# Altium PCB DM1095_R0M0E1.PcbDoc (part 2 of 3) (continued)
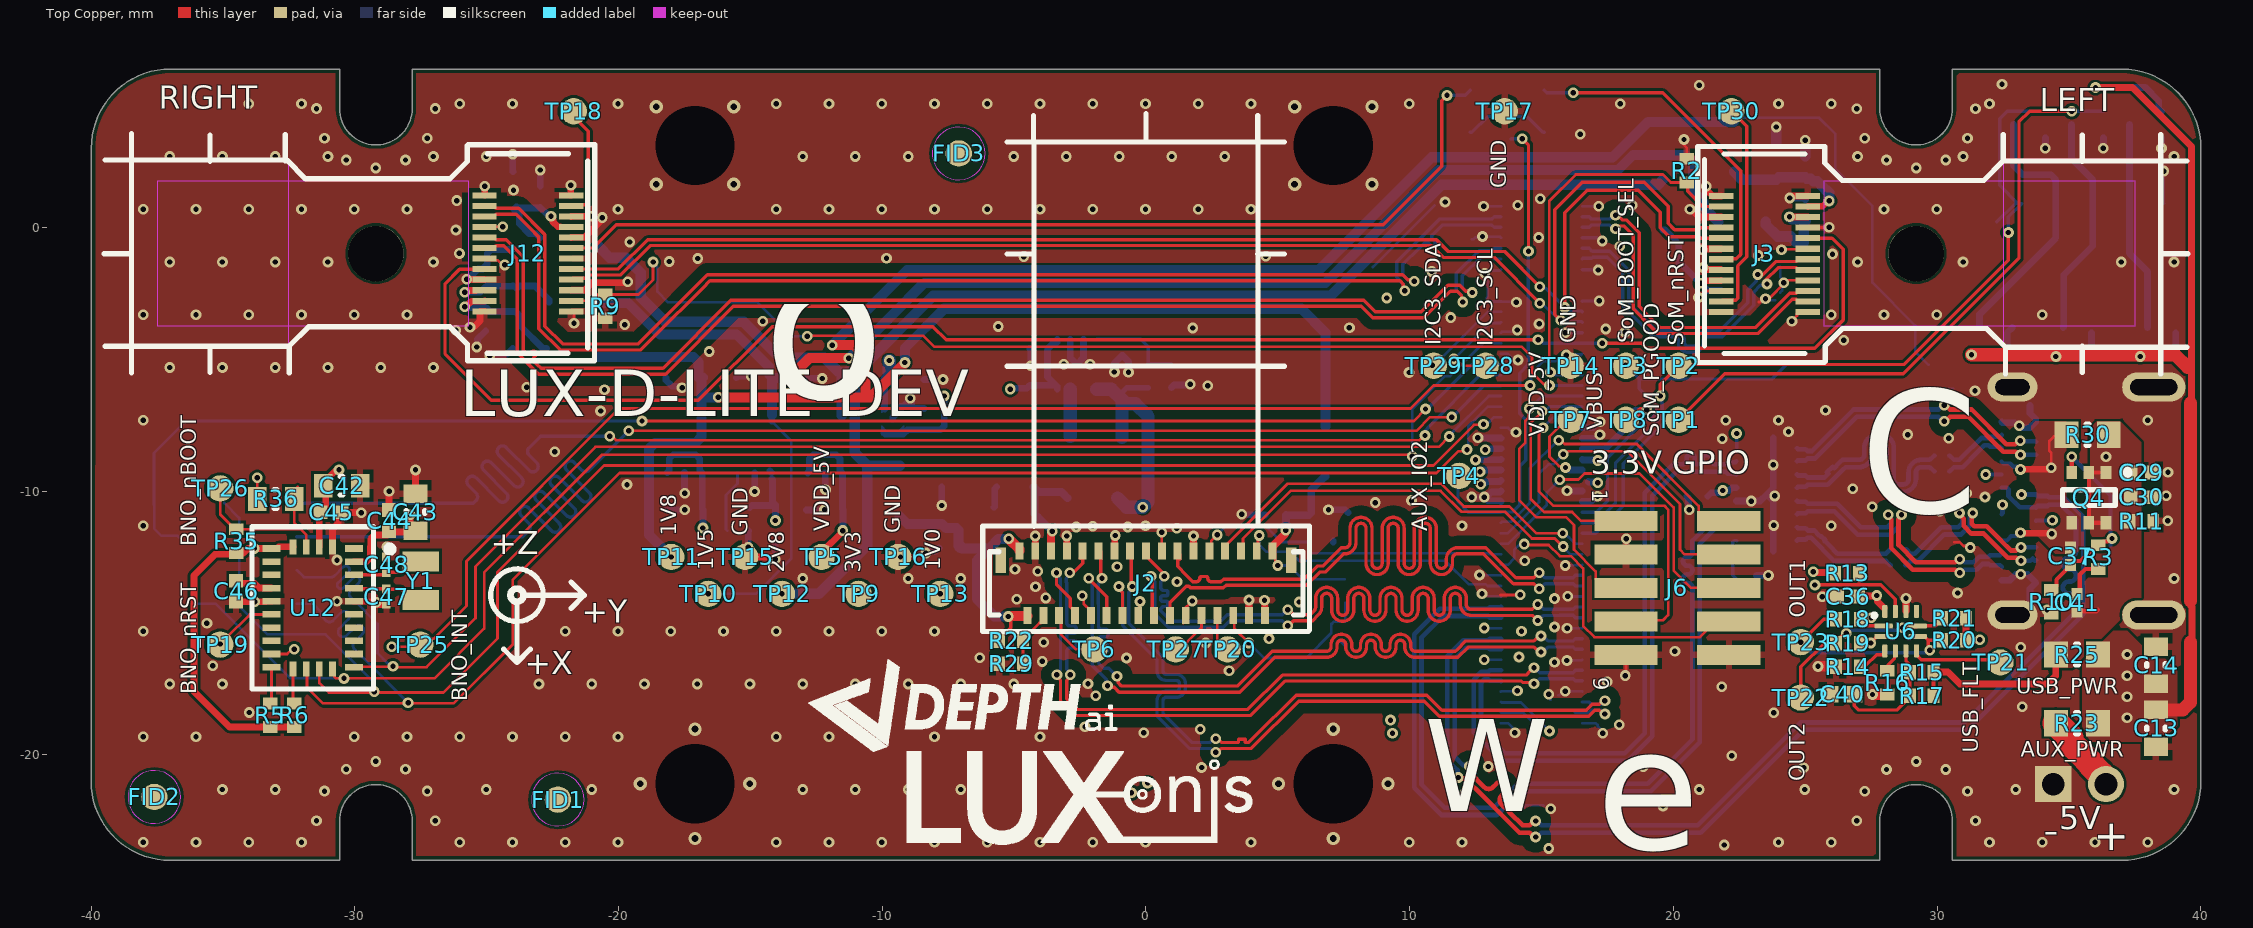
[diagram p0: Top Copper view]
## Nets (pads, with @x,y where several pads share a name; then routed paths per layer and width w, separated by ;. In a path a pad name is that pad's centre, name@x,y a point inside that pad or via, vN(x,y) a via of type N, cw(c..) or ccw(c..) an arc to the next point about the centre after c; other vN are vias at no path point) (continued)
  Top Copper w0.102: C48.1@-28.8,-12.52 -28.8,-12.515 -28.765,-12.48 -28.785,-12.46 v1(-28.785,-12.123) ; J12.6@-25.077,-1.187 -25.013,-1.252 -24.573,-1.252 -24.399,-1.426 v1(-24.316,-1.426) ; J12.9@-25.077,0.013 -25.073,0.017 -24.399,0.017 v1(-24.394,0.022) ; J12.24@-21.797,-3.187 -21.752,-3.187 -21.688,-3.252 v1(-21.688,-3.641) ; v1(-2.418,-13.976) -2.36,-14.034 -2.36,-14.289 -2.093,-14.556 J2.24@-2.093,-14.731 ; J2.18@-0.293,-14.731 -0.26,-14.698 -0.26,-14.223 v1(-0.227,-14.191) ; v1(0.597,-11.566) 0.599,-11.567 0.599,-12.28 J2.15@0.6,-12.281 ; J2.12@1.408,-15.005 1.408,-14.521 v1(1.758,-14.172) ; 13.438,-13.943 14.244,-13.943 v1@14.257,-13.93 ; v1(18.176,-16.998) 18.2,-16.974 J6.9@18.2,-16.21 ; J6.3@18.2,-12.4 18.207,-12.393 v1(18.207,-11.813) ; v1(20.4,3.328) 20.4,3.118 20.5,3.018 R2.2@20.5,2.6 ; v1(20.952,-2.663) 21.136,-2.48 21.182,-2.48 21.249,-2.413 J3.15@21.81,-2.413 ; 23.231,-2.834 23.282,-2.834 23.405,-2.711 v1(23.488,-2.711) 23.546,-2.652 23.677,-2.652 24.179,-2.15 v1(24.179,-2.105) 24.272,-2.013 J3.9@25.09,-2.013 ; v1(24.098,-0.853) 24.119,-0.833 25.07,-0.833 J3.6@25.09,-0.813 ; v1(24.491,-3.561) 24.491,-3.539 24.681,-3.349 24.681,-3.277 24.745,-3.213 J3.12@25.09,-3.213 ; J3.4@25.09,-0.013 25.096,-0.006 25.894,-0.006 v1(25.9,0) ; 30.649,-11.943 30.859,-11.943 30.998,-12.082 31.193,-12.082 v1(31.251,-12.14) ; C30.1@38.14,-10.24 38.203,-10.177 v1(38.684,-10.177)
  Top Copper w0.254: C46.2@-34.5,-14.2 v1(-33.797,-14.2) -33.386,-14.2 -33.365,-14.179 U12.10@-33.157,-14.179 ; U12.2@-30.844,-12.117 -30.844,-11.444 -30.633,-11.233 -30.633,-10.933 C45.1@-30.5,-10.8 -30.496,-10.796 -30.479,-10.813 -29.771,-10.813 v1(-29.758,-10.827) ; U12.25@-30.032,-14.179 U12.25@-30.032,-14.179 -29.519,-14.181 -29.5,-14.2 -29.3,-14.2 -29.2,-14.3 -28.82,-14.3 C47.1@-28.8,-14.28 ; C44.1@-28.7,-10.72 v1(-28.7,-10.013) ; C43.1@-27.7,-10.1 v1(-27.7,-9.2) ; v1(-25.749,-1.965) -25.738,-1.976 -25.088,-1.976 J12.4@-25.077,-1.987 ; v1(-25.629,-3.792) -25.6,-3.763 -25.465,-3.763 -25.249,-3.547 -25.249,-3.199 -25.237,-3.187 J12.1@-25.077,-3.187 ; v1@-25.405,-4.512 v1(-25.376,-4.541) ; J12.12@-25.077,1.213 v1(-25.077,1.557) ; v1(-21.806,1.598) -21.806,1.221 J12.13@-21.797,1.213 ; J12.22@-21.797,-2.387 -21.301,-2.387 -21.012,-2.098 -19.682,-2.098 v1(-19.654,-2.07) ; J12.17@-21.797,-0.387 -21.785,-0.375 -21.289,-0.375 -20.646,0.268 -20.646,0.338 v1(-20.617,0.367) ; J12.15@-21.797,0.413 -21.796,0.414 v1(-21.077,0.415) v1(-21.077,0.415) ; TP15.1@-15.2,-12.5 -14.184,-12.5 -14.096,-12.588 v1(-14.055,-12.588) ; J2.31@-4.2,-12.281 v1(-4.2,-11.706) ; J2.27@-3,-12.281 v1(-3,-11.706) ; J2.21@-1.2,-12.281 -1.184,-12.265 -1.184,-11.702 v1(-1.168,-11.687) ; J2.11@1.8,-12.281 v1(1.8,-11.706) ; J2.4@3.908,-14.731 v1(3.908,-14.13) ; v1(4.493,-14.137) 4.5,-14.144 4.5,-14.55 J2.2@4.507,-14.557 ; v1(20.623,0.683) 20.664,0.683 20.959,0.387 J3.22@21.81,0.387 ; v1(21.094,-0.853) 21.122,-0.825 21.798,-0.825 J3.19@21.81,-0.813 ; v1(21.119,-1.524) 21.16,-1.524 21.237,-1.601 21.798,-1.601 J3.17@21.81,-1.613 ; v1(21.247,1.551) 21.276,1.522 21.276,1.401 21.489,1.187 J3.24@21.81,1.187 ; v1(24.408,1.109) 24.41,1.109 24.488,1.187 J3.1@25.09,1.187 ; U6.10@28.815,-14.565 U6.10@28.815,-14.565 28.813,-14.076 v1(28.818,-14.071)
  Top Copper w0.4: v1(25.481,-16.65) 25.483,-16.651 26.151,-16.651 R14.2@26.165,-16.665 ; v1(25.644,-14.009) 25.653,-14 C36.1@26.2,-14 ; v1(27.547,-17.716) R16.2@28.115,-17.715
  Bottom Layer w0.102: R28.2@7.302,-15.682 7.352,-15.682 R28.2@7.526,-15.856 ; 8.597,-1.503 8.608,-1.503 10.938,0.827 ; 12.353,-0.449 12.422,-0.449 12.481,-0.39 12.529,-0.39 12.536,-0.383 12.713,-0.383 v1@12.771,-0.324 ; v1(12.648,-13.185) 12.655,-13.192 13.452,-13.192 J1.30@13.46,-13.2 ; v1(12.74,-13.893) 12.822,-13.893 12.923,-13.994 13.454,-13.994 J1.26@13.46,-14 ; v1@12.8,-0.327 12.836,-0.364 13.424,-0.364 J1.94@13.46,-0.4 ; v1(12.8,0.8) J1.100@13.46,0.8 ; v1(12.821,-16.393) 12.828,-16.4 J1.14@13.46,-16.4 ; v1(12.821,-15.193) 12.828,-15.2 J1.20@13.46,-15.2 ; 12.914,-2.817 12.927,-2.817 ; J1.8@13.45,-17.61 J1.8@13.46,-17.6 13.474,-17.586 14.068,-17.586 v1(14.082,-17.571) ; J1.2@13.46,-18.8 13.72,-18.8 13.93,-19.01 13.93,-19.11 v1(13.988,-19.169) ; J1.58@13.46,-7.6 13.72,-7.6 13.829,-7.709 13.971,-7.709 v1(14.029,-7.768) ; J1.72@13.46,-4.8 13.72,-4.8 13.893,-4.973 14.044,-4.973 v1(14.103,-5.031) ; J1.76@13.46,-4 13.499,-3.961 13.923,-3.961 13.991,-3.893 v1(14.074,-3.893) ; J1.88@13.46,-1.6 13.421,-1.639 12.952,-1.639 12.895,-1.696 12.895,-1.995 12.959,-2.059 12.959,-2.63 12.927,-2.662 12.927,-2.817 ; v1(14.045,-2.841) 14.024,-2.821 13.481,-2.821 J1.82@13.46,-2.8 13.443,-2.817 12.927,-2.817 ; 14.334,-21.993 14.418,-21.909 15.053,-21.909 15.078,-21.933 ; v1(15.268,-17.704) 15.326,-17.762 15.326,-17.901 15.335,-17.91 ; 15.64,-17.745 15.666,-17.745 15.819,-17.593 v1(15.901,-17.593) 15.905,-17.596 16.536,-17.596 J1.7@16.54,-17.6 ; v1(15.901,-12.823) 15.913,-12.811 16.529,-12.811 J1.31@16.54,-12.8 ; v1(15.939,-4.846) 15.962,-4.823 16.485,-4.823 16.501,-4.839 J1.71@16.54,-4.8 ; v1(15.96,-16.428) 15.974,-16.414 16.526,-16.414 J1.13@16.54,-16.4 ; v1(15.966,-15.208) 15.97,-15.204 16.536,-15.204 J1.19@16.54,-15.2 ; v1(15.986,-13.994) 15.989,-13.997 16.537,-13.997 J1.25@16.54,-14 ; J1.1@16.54,-18.8 17.052,-18.8 17.124,-18.872 17.124,-18.911 17.314,-19.101 v1(17.314,-19.184) ; J1.99@16.54,0.8 v1(17.166,0.8) ; v1(23.488,-2.711) 23.543,-2.766 23.864,-2.766 ; 24.043,-2.479 24.121,-2.402 24.121,-2.164 v1(24.179,-2.105) 24.179,-2.023 24.043,-1.887 24.043,-1.502 24.05,-1.495 ; 29.936,-6.249 30.064,-6.121 30.614,-6.121 ; v1(38.593,2.13) 38.593,0.907 B1.1@38.6,0.9
  Bottom Layer w0.127: v1(15.9,-4) J1.75@16.54,-4 ; J1.81@16.54,-2.8 16.544,-2.796 17.185,-2.796 v1(17.189,-2.791) ; J1.87@16.54,-1.6 16.549,-1.609 17.134,-1.609 v1(17.143,-1.618) ; J1.93@16.54,-0.4 17.106,-0.4 17.225,-0.519 v1(17.301,-0.519) ; v1@17.113,-1.427 v1@17.119,-1.427
  Bottom Layer w0.25: J10.A12@32.442,-13.379 32.763,-13.379 32.983,-13.159 v1(33.165,-13.159) 33.422,-13.159 J10.B1@33.742,-13.479 33.517,-13.704 33.517,-14.204 33.022,-14.699 J10.SH4@32.852,-14.699 ; J10.A1@32.442,-7.379 32.467,-7.404 32.94,-7.404 33.132,-7.596 33.517,-7.596 33.742,-7.371 J10.B12@33.742,-7.279 33.517,-7.054 33.517,-6.758
  Bottom Layer w0.254: v1(-25.749,-1.965) -25.708,-1.965 -25.322,-1.579 -25.152,-1.579 C23.1@-25.019,-1.446 -24.978,-1.405 -24.978,-0.992 -24.829,-0.843 -24.025,-0.843 C24.1@-23.998,-0.816 ; v1(-25.376,-4.541) -25.347,-4.512 -25.347,-4.241 C25.1@-25.029,-3.923 ; v1(-24.885,-4.881) -24.844,-4.881 -24.775,-4.813 -24.234,-4.813 C26.1@-24.011,-4.59 ; v1(-24.006,2.772) -24.006,2.109 C28.1@-24.002,2.105 ; v1(-22.968,2.171) v1(-22.968,2.171) C27.1@-22.966,1.556 ; C18.1@-18.2,-5.7 -18.2,-5.8 -17.977,-6.023 -17.695,-6.023 -17.632,-6.086 v1(-17.59,-6.086) ; C19.1@-18.179,-10.72 -17.479,-10.72 v1(-17.492,-10.706) ; U2.2@-17.5,-9.3 -17.496,-9.304 -17.496,-10.077 v1(-17.493,-10.08) ; C39.1@-15.539,-5.71 -15.478,-5.649 v1(-14.964,-5.649) ; v1@-15.081,-12.104 -15.081,-11.499 C49.1@-15.068,-11.512 ; v1@-14.84,-10.018 U8.2@-14.839,-9.31 ; v1@-14.055,-12.555 -14.055,-11.95 C17.1@-14.042,-11.963 ; C38.1@-12.879,-10.72 -12.179,-10.72 v1(-12.192,-10.706) ; C20.1@-12.879,-5.72 -12.292,-5.72 v1(-12.278,-5.733) ; U3.2@-12.179,-9.32 -12.165,-9.334 -12.165,-9.935 v1(-12.151,-9.949) ; U1.5@-9.605,-7.281 -9.605,-7.215 v1@-8.905,-6.516 ; v1(-8.939,-6.482) v1@-8.905,-6.516 ; C15.1@-8.414,-5.783 -8.401,-5.77 v1(-7.696,-5.77) ; C16.1@-8.405,-6.881 -8.429,-6.856 -8.891,-6.856 -8.891,-6.531 v1@-8.905,-6.516 ; v1(-8.353,-12.349) -8.312,-12.349 -8.256,-12.293 -7.981,-12.293 C5.1@-7.848,-12.16 ; v1(-7.743,-10.55) C6.1@-7.743,-9.85 ; -5.763,-10.613 -5.733,-10.584 -5.733,-9.912 C2.1@-5.663,-9.841 ; C21.1@-4.41,-4.592 -4.363,-4.639 v1(-4.363,-5.246) ; U4.2@-2.87,-4.242 -2.87,-4.942 U4.9@-2.62,-5.192 -2.37,-4.942 U4.3@-2.37,-4.242 ; v1(-1.197,-5.485) -1.197,-5.151 C22.1@-0.908,-4.862 -0.886,-4.862 -0.663,-5.085 v1(-0.663,-5.494) ; R8.1@0.967,-6.073 1.061,-5.979 1.654,-5.979 v1(1.683,-5.95) ; v1(3.635,-10.879) 3.649,-10.894 4.502,-10.894 C3.1@4.517,-10.908 ; v1(6.92,-10.71) 7.557,-10.71 C4.1@7.666,-10.82 ; R1.2@7.104,-11.93 R1.2@7.104,-11.88 ; v1(12.35,-10.23) v1(12.826,-10.23) ; v1(12.584,-7.984) 12.592,-7.992 13.452,-7.992 J1.56@13.46,-8 ; v1@12.811,-10.255 12.826,-10.27 v1@12.867,-10.27 ; J1.44@13.46,-10.4 13.423,-10.363 12.96,-10.363 v1@12.867,-10.27 ; J1.46@13.46,-10 13.423,-10.037 13.1,-10.037 v1@12.867,-10.27 ; v1(15.962,-9.991) 15.967,-9.995 16.535,-9.995 J1.45@16.54,-10 ; J1.43@16.54,-10.4 16.871,-10.4 17.078,-10.193 v1(17.119,-10.193) ; J1.55@16.54,-8 17.108,-8 17.21,-7.898 v1(17.21,-7.863) ; J1.57@16.54,-7.6 16.945,-7.6 17.177,-7.369 v1(17.218,-7.369) ; C35.1@20.5,-10.2 20.57,-10.27 20.57,-10.68 v1(20.6,-10.709) ; v1(21.119,-1.524) 21.16,-1.524 21.228,-1.592 21.792,-1.592 C11.1@21.8,-1.6 ; U5.5@22.385,-10.375 23.285,-10.375 U5.21@23.535,-10.125 ; R12.2@23.15,-13.2 v1(23.6,-13.2) ; v1(23.781,-9.009) U5.21@23.785,-9.009 ; U5.20@23.785,-12.275 23.785,-10.375 U5.21@23.535,-10.125 ; U5.11@23.785,-7.975 U5.21@23.785,-9.009 ; v1(24.408,1.109) 24.41,1.109 24.419,1.1 24.948,1.1 C7.1@25.008,1.04 ; v1(34.1,3) 34.105,3.005 34.105,3.395 Q3.2@34.11,3.4 ; v1(36.3,3) 36.305,3.005 36.305,3.395 Q2.2@36.31,3.4 ; v1(38.5,3) 38.505,3.005 38.505,3.395 Q1.2@38.51,3.4 ; U5.21@23.535,-10.125 23.785,-9.875 U5.21@23.785,-9.009
  Bottom Layer w0.4: C10.1@23.9,3.2 v1(23.9,3.8) ; C9.1@25,2.7 v1(25,3.3)
  other v1: 15.274,-23.552 21.92,-23.422 -38.019,-23.318 -36.019,-23.318 -34.019,-23.318 -32.019,-23.318 -26.019,-23.318 -24.019,-23.318 -22.019,-23.318 -20.019,-23.318 -14.019,-23.318 -12.019,-23.318 -10.019,-23.318 -8.019,-23.318 -6.019,-23.318 -4.019,-23.318 -2.019,-23.318 -0.019,-23.318 3.981,-23.318 9.981,-23.318 11.981,-23.318 23.981,-23.318 25.981,-23.318 31.981,-23.318 33.981,-23.318 35.981,-23.318 37.981,-23.318 15.348,-22.045 19.602,-21.944 12.047,-21.486 -35.019,-21.318 -33.019,-21.318 -25.019,-21.318 -21.019,-21.318 -13.019,-21.318 -11.019,-21.318 -9.019,-21.318 -7.019,-21.318 20.981,-21.318 24.981,-21.318 32.981,-21.318 38.981,-21.318 24.933,-20.493 2.108,-20.481 12.979,-20.444 18.849,-20.45 22.207,-20.042 -38.019,-19.318 -36.019,-19.318 -30.019,-19.318 -28.019,-19.318 -26.019,-19.318 -24.019,-19.318 -22.019,-19.318 -20.019,-19.318 -14.019,-19.318 -12.019,-19.318 -10.019,-19.318 -8.019,-19.318 -4.019,-19.318 -0.09,-19.168 2.058,-19.029 -2.312,-18.933 17.939,-18.857 -34,-18.4 23.803,-18.402 33.228,-18.183 -1.906,-17.759 21.827,-17.422 -37.019,-17.318 -35.019,-17.318 -23.019,-17.318 -21.019,-17.318 -19.019,-17.318 -17.019,-17.318 -15.019,-17.318 -13.019,-17.318 -11.019,-17.318 -9.019,-17.318 -7.019,-17.318 -5.019,-17.318 -2.201,-17.309 17.491,-17.236 3.151,-16.814 -35.39,-16.63 15.489,-16.492 -3.935,-16.46 -6.3,-16.324 -0.742,-16.334 14.142,-16.294 20.054,-16.079 33.171,-15.926 2.265,-15.761 -3.882,-15.731 4.662,-15.595 -38.019,-15.318 -22.019,-15.318 -20.019,-15.318 -18.019,-15.318 -16.019,-15.318 -14.019,-15.318 -12.019,-15.318 -10.019,-15.318 -8.019,-15.318 14.238,-15.319 15.488,-15.155 -35.606,-15.017 34.163,-14.513 -29.184,-14.217 5.811,-14.205 -30.676,-14.182 -4.9,-14.106 15.488,-14.078 -3.804,-14.052 14.193,-13.933 30.773,-13.865 -4.19,-13.627 1.178,-13.435 -13.019,-13.318 -9.019,-13.318 -7.019,-13.318 38.981,-13.318 -4.103,-13.045 -4.968,-12.965 -1.096,-12.87 14.356,-12.642 -30.672,-12.618 -9.308,-12.5 -15.081,-12.137 1.161,-11.412 -2.648,-11.361 -0.695,-11.361 -38.019,-11.318 -2.02,-11.34 -0.019,-11.318 11.981,-11.318 25.981,-11.318 23.806,-11.303 38.737,-11.127 30.092,-10.77 29.534,-10.712 27.532,-10.591 8.695,-10.438 22.944,-10.382 10.066,-10.363 31.812,-10.229 23.835,-10.185 31.114,-10.08 -14.84,-10.018 26.794,-9.911 -19.677,-9.756 38.753,-9.289 -22.416,-8.516 21.85,-8.022 30.441,-7.999 28.883,-7.861 24.36,-7.753 33.114,-7.52 -38.019,-7.318 21.981,-7.318 23.981,-7.318 37.981,-7.318 -20.681,-6.963 25.765,-6.942 29.708,-6.283 31.432,-6.198 -20.531,-6.156 -23.475,-6.07 2.344,-6.01 9.975,-5.504 -37.019,-5.318 -35.019,-5.318 -33.019,-5.318 -31.019,-5.318 -29.019,-5.318 -27.019,-5.318 -3.12,-5.192 -2.12,-5.192 -16.558,-4.709 26.455,-4.282 18.166,-3.981 -26.169,-3.905 17.43,-3.855 1.775,-3.821 7.713,-3.811 -5.597,-3.764 -19.761,-3.689 14.905,-3.663 -14.528,-3.565 11.559,-3.423 -38.019,-3.318 -36.019,-3.318 -34.019,-3.318 -32.019,-3.318 -30.019,-3.318 -28.019,-3.318 27.981,-3.318 29.981,-3.318 33.981,-3.318 25.983,-3.314 9.13,-2.681 12.839,-1.745 10.84,-1.673 -37.019,-1.318 -35.019,-1.318 -33.019,-1.318 -31.019,-1.318 -27.019,-1.318 26.981,-1.318 30.981,-1.318 36.981,-1.318 38.981,-1.318 -18.072,-1.295 -16.993,-1.182 -9.841,-1.172 -4.635,-1.111 4.539,-1.1 23.218,-1.07 26.03,-1.016 -26.032,-0.99 17.963,-0.715 -19.571,-0.556 14.891,-0.386 12.759,-0.349 -26.165,-0.101 -38.019,0.682 -36.019,0.682 -34.019,0.682 -32.019,0.682 -30.019,0.682 -28.019,0.682 -20.019,0.682 -14.019,0.682 -12.019,0.682 -10.019,0.682 -8.019,0.682 -6.019,0.682 -4.019,0.682 -2.019,0.682 -0.019,0.682 1.981,0.682 3.981,0.682 27.981,0.682 29.981,0.682 14.092,0.84 18.435,0.841 11.341,0.957 -26.132,1.013 14.944,1.085 -23.982,1.411 -37.019,2.682 -35.019,2.682 -33.019,2.682 -31.019,2.682 -27.019,2.682 -25.019,2.682 -13.019,2.682 -11.019,2.682 -9.019,2.682 -5.019,2.682 -3.019,2.682 -1.019,2.682 0.981,2.682 2.981,2.682 26.981,2.682 30.981,2.682 38.981,2.682 16.46,3.528 -34.019,4.682 -32.019,4.682 -26.019,4.682 -24.019,4.682 -20.019,4.682 -14.019,4.682 -12.019,4.682 -10.019,4.682 -8.019,4.682 -6.019,4.682 -4.019,4.682 -2.019,4.682 -0.019,4.682 1.981,4.682 3.981,4.682 9.981,4.682 17.981,4.682 23.981,4.682 25.981,4.682 31.981,4.682 20.973,5.389 32.456,5.427
  other v2: -31.45,-22.502 -26.95,-22.502 26.95,-22.505 31.45,-22.505 -31.149,-21.377 -27.251,-21.377 27.251,-21.38 31.149,-21.38 -30.325,-20.554 -28.075,-20.554 28.075,-20.556 30.325,-20.556 -29.2,-20.252 29.2,-20.255 -29.2,2.25 29.2,2.249 28.075,2.55 30.325,2.55 -30.325,2.551 -28.075,2.551 -31.149,3.375 -27.251,3.375 27.251,3.374 31.149,3.374 -31.45,4.5 -26.95,4.5 26.95,4.499 31.45,4.499
  other v3: -17.1,-23.175 7.1,-23.175 -19.175,-21.1 -15.025,-21.1 5.025,-21.1 9.175,-21.1 -17.1,-19.025 7.1,-19.025 -18.567,1.633 -15.633,1.633 5.633,1.633 8.567,1.633 -18.567,4.567 -15.633,4.567 5.633,4.567 8.567,4.567
GPO: J2.28 TP6.1 | length 2.4
  Top Copper w0.102: J2.28@-3.293,-14.906 -3.293,-14.731 -3.224,-14.8 -3.224,-15.437 -2.656,-16.005 TP6.1@-1.955,-16.005
I2C1_SCL: J1.35 J2.7 | length 15.7
  Top Copper w0.102: J2.7@3,-12.281 3.099,-12.182 3.099,-11.986 5.356,-9.73 11.197,-9.73 12.052,-10.584 13.784,-10.584 14.796,-11.596 v1(15.797,-11.596)
  Bottom Layer w0.102: v1(15.797,-11.596) 15.867,-11.596 16.029,-11.758 16.038,-11.758 16.28,-12 J1.35@16.54,-12
I2C1_SDA: J1.33 J2.5 | length 15.1
  Top Copper w0.102: J2.5@3.6,-12.281 3.678,-12.203 3.678,-11.798 5.483,-9.993 11.165,-9.993 11.958,-10.786 13.618,-10.786 14.629,-11.797 15.498,-11.797 15.802,-12.101 v1(15.825,-12.101)
  Bottom Layer w0.102: v1(15.825,-12.101) 15.825,-12.128 16.097,-12.4 J1.33@16.54,-12.4
I2C2_SCL: J1.77 J3.21 J12.21 | length 52.3
  Top Copper w0.127: J12.21@-21.797,-1.987 -21.746,-1.936 -21.261,-1.936 -21.132,-1.808 -19.911,-1.808 -18.796,-0.693 10.827,-0.693 11.279,-1.145 13.196,-1.145 v1(14.933,-2.882) ; v1(15.729,-3.523) 15.717,-3.523 15.503,-3.309 15.503,0.661 16.547,1.705 18.895,1.705 19.8,0.8 19.8,0.147 20.039,-0.091 20.944,-0.091 21.022,-0.013 J3.21@21.81,-0.013
  Bottom Layer w0.102: v1(14.933,-2.882) 15.011,-2.882 15.652,-3.523 v1(15.729,-3.523)
  Bottom Layer w0.127: v1(15.729,-3.523) 15.779,-3.574 16.514,-3.574 J1.77@16.54,-3.6
I2C2_SDA: J1.79 J3.20 J12.20 | length 50.9
  Top Copper w0.127: J12.20@-21.797,-1.587 -21.79,-1.581 -20.005,-1.581 -18.89,-0.466 11.015,-0.466 11.466,-0.918 13.598,-0.918 v1(14.933,-2.253) ; v1(15.882,-3.04) 15.882,0.553 16.73,1.401 18.662,1.401 19.5,0.564 19.5,-0.021 19.834,-0.355 20.962,-0.355 21.02,-0.413 J3.20@21.81,-0.413
  Bottom Layer w0.127: v1(14.933,-2.253) 14.987,-2.307 15.148,-2.307 v1(15.882,-3.04) ; v1@15.882,-3.042 15.957,-3.042 16.089,-3.173 16.514,-3.173 J1.79@16.54,-3.2
I2C3_SCL_1V8: J1.78 TP28.1 | length 3.6
  Top Copper w0.102: v1(11.674,-4.994) 12.035,-5.25 12.07,-5.25 TP28.1@12.877,-5.25
  Bottom Layer w0.102: v1(11.674,-4.994) 13.038,-3.63 13.43,-3.63 J1.78@13.46,-3.6
I2C3_SDA_1V8: J1.80 TP29.1 | length 3.5
  Top Copper w0.254: v1(10.847,-5.237) 10.86,-5.25 TP29.1@10.913,-5.25
  Bottom Layer w0.102: v1(10.847,-5.237) 10.926,-5.237 12.963,-3.2 J1.80@13.46,-3.2
MIPI_RX2_C_N: J1.95 J3.11 | length 12.6
  Top Copper w0.127: v1(17.8,-0.053) 17.876,-0.053 17.979,0.05 18.119,0.05 18.471,-0.302 18.471,-3.095 19.138,-3.762 19.405,-4.029 23.195,-4.029 24.496,-2.727 24.659,-2.727 24.745,-2.813 J3.11@25.09,-2.813
  Bottom Layer w0.127: J1.95@16.54,0 16.8,0 16.886,0.086 17.586,0.086 17.725,-0.053 v1(17.8,-0.053)
MIPI_RX2_C_P: J1.97 J3.10 | length 12.6
  Top Copper w0.127: v1(17.8,0.453) 17.875,0.453 18.05,0.278 18.214,0.278 18.7,-0.208 18.7,-3 19.146,-3.446 19.5,-3.8 23.1,-3.8 24.402,-2.498 24.659,-2.498 24.745,-2.413 J3.10@25.09,-2.413
  Bottom Layer w0.127: J1.97@16.54,0.4 16.8,0.4 16.886,0.314 17.586,0.314 17.725,0.453 v1(17.8,0.453)
MIPI_RX2_D0_N: J1.89 J3.8 | length 12.9
  Top Copper w0.127: v1(23.548,-2.148) 23.503,-2.103 23.503,-1.997 23.973,-1.527 24.659,-1.527 24.745,-1.613 J3.8@25.09,-1.613
  Bottom Layer w0.127: J1.89@16.54,-1.2 16.566,-1.174 16.897,-1.174 16.931,-1.139 17.483,-1.139 18.072,-1.728 18.072,-2.967 19.26,-4.155 19.384,-4.155 20.043,-4.155 cw(c20.043,-4.3) 20.188,-4.3 20.188,-4.37 ccw(c20.562,-4.37) 20.562,-4.743 20.755,-4.743 ccw(c20.755,-4.37) 21.129,-4.37 21.129,-4.3 cw(c21.274,-4.3) 21.274,-4.155 21.452,-4.155 21.845,-4.155 23.039,-2.961 23.039,-2.461 23.299,-2.201 23.495,-2.201 v1(23.548,-2.148)
MIPI_RX2_D0_P: J1.91 J3.7 | length 12.9
  Top Copper w0.127: v1(23.19,-1.79) 23.236,-1.836 23.341,-1.836 23.878,-1.298 24.659,-1.298 24.745,-1.213 J3.7@25.09,-1.213
  Bottom Layer w0.127: J1.91@16.54,-0.8 16.8,-0.8 16.911,-0.911 17.578,-0.911 18.301,-1.634 18.301,-2.872 19.355,-3.926 19.384,-3.926 20.043,-3.926 cw(c20.043,-4.3) 20.417,-4.3 20.417,-4.37 ccw(c20.562,-4.37) 20.562,-4.515 20.755,-4.515 ccw(c20.755,-4.37) 20.901,-4.37 20.901,-4.3 cw(c21.274,-4.3) 21.274,-3.926 21.452,-3.926 21.751,-3.926 22.81,-2.866 22.81,-2.366 23.137,-2.04 23.137,-1.843 v1(23.19,-1.79)
MIPI_RX2_D1_N: J1.83
MIPI_RX2_D1_P: J1.85
MIPI_RX3_C_N: J1.96 J12.11 | length 46.4
  Top Copper w0.127: J12.11@-25.077,0.813 -24.732,0.813 -24.647,0.727 -23.792,0.727 -22.791,-0.274 -22.791,-3.747 -22.115,-4.423 -21.457,-4.423 -20.571,-4.423 -19.255,-4.423 -18.77,-3.938 -16.629,-1.797 9.728,-1.797 9.922,-1.991 10.118,-1.991 v1(10.171,-2.044)
  Bottom Layer w0.127: v1(10.171,-2.044) 10.118,-1.991 9.922,-1.991 9.739,-1.808 9.739,-1.407 10.353,-0.793 10.541,-0.605 cw(c10.631,-0.694) 10.721,-0.605 10.797,-0.681 ccw(c10.869,-0.609) 10.941,-0.681 ccw(c10.869,-0.609) 10.941,-0.537 10.864,-0.461 cw(c10.954,-0.371) 10.864,-0.281 11.117,-0.029 11.231,0.086 13.114,0.086 13.2,0 J1.96@13.46,0
MIPI_RX3_C_P: J1.98 J12.10 | length 46.3
  Top Copper w0.127: J12.10@-25.077,0.413 -24.732,0.413 -24.647,0.498 -23.887,0.498 -23.364,-0.024 -23.02,-0.368 -23.02,-3.841 -22.21,-4.652 -21.363,-4.652 -20.666,-4.652 -19.161,-4.652 -18.609,-4.1 -16.813,-2.303 -16.534,-2.025 9.633,-2.025 9.76,-2.152 9.76,-2.349 v1(9.813,-2.402)
  Bottom Layer w0.127: v1(9.813,-2.402) 9.76,-2.349 9.76,-2.152 9.51,-1.903 9.51,-1.312 11.137,0.314 13.114,0.314 13.2,0.4 J1.98@13.46,0.4
MIPI_RX3_D0_N: J1.90 J12.8 | length 46.4
  Top Copper w0.127: J12.8@-25.077,-0.387 -24.732,-0.387 -24.647,-0.473 -24.254,-0.473 -23.616,-1.112 -23.616,-4.664 -23.558,-4.722 -23.513,-4.767 ccw(c-23.423,-4.677) -23.334,-4.767 -23.294,-4.728 cw(c-23.222,-4.799) -23.151,-4.728 cw(c-23.222,-4.799) -23.151,-4.871 -23.19,-4.91 ccw(c-23.1,-5) -23.19,-5.09 -23.018,-5.261 -22.974,-5.306 -22.939,-5.341 -18.312,-5.341 -15.742,-2.771 8.264,-2.771 8.697,-3.204 10.443,-3.204 11.45,-2.197 11.9,-2.197 12.124,-2.42 12.32,-2.42 v1(12.373,-2.473)
  Bottom Layer w0.127: v1(12.373,-2.473) 12.32,-2.42 12.124,-2.42 11.997,-2.293 11.997,-1.841 12.723,-1.114 13.114,-1.114 13.2,-1.2 J1.90@13.46,-1.2
MIPI_RX3_D0_P: J1.92 J12.7 | length 46.4
  Top Copper w0.127: J12.7@-25.077,-0.787 -24.732,-0.787 -24.647,-0.702 -24.349,-0.702 -23.845,-1.206 -23.845,-4.759 -23.135,-5.468 -23.034,-5.569 -18.217,-5.569 -15.648,-3 8.17,-3 8.602,-3.432 10.538,-3.432 11.545,-2.425 11.805,-2.425 11.962,-2.582 11.962,-2.778 v1(12.015,-2.831)
  Bottom Layer w0.127: v1(12.015,-2.831) 11.962,-2.778 11.962,-2.582 11.768,-2.388 11.768,-1.746 12.628,-0.886 13.114,-0.886 13.2,-0.8 J1.92@13.46,-0.8
MIPI_RX3_D1_N: J1.84
MIPI_RX3_D1_P: J1.86
MIPI_RX4_C_N: J1.3 J2.20 | length 27.8
  Top Copper w0.127: v1@-1.019,-13.7 -1.019,-13.705 -0.893,-13.831 J2.20@-0.893,-14.725 J2.20@-0.893,-14.731 ; v1(2.646,-19.9) 2.721,-19.9 2.86,-19.761 3.998,-19.761 5.791,-17.967 10.556,-17.967 11.126,-18.538 16.783,-18.538 17.006,-18.314 17.186,-18.314 17.325,-18.453 v1(17.4,-18.453)
  Bottom Layer w0.127: v1(-1.026,-13.621) -1.026,-13.697 -0.888,-13.836 -0.888,-15.101 0.418,-16.407 0.418,-16.649 0.418,-16.827 ccw(c0.774,-16.827) 0.774,-17.182 1.147,-17.182 cw(c1.147,-17.304) 1.269,-17.304 1.269,-17.467 cw(c1.147,-17.467) 1.147,-17.589 0.774,-17.589 ccw(c0.774,-17.944) 0.418,-17.944 0.418,-18.543 0.553,-18.677 1.636,-19.761 2.432,-19.761 2.571,-19.9 v1(2.646,-19.9) ; J1.3@16.28,-18.4 J1.3@16.54,-18.4 16.8,-18.4 16.886,-18.314 17.27,-18.314 17.4,-18.444 v1(17.4,-18.453)
MIPI_RX4_C_P: J1.5 J2.19 | length 27.6
  Top Copper w0.127: J2.19@-0.6,-12.281 -0.56,-12.321 -0.56,-13.565 v1@-0.496,-13.629 ; v1(2.646,-19.393) 2.721,-19.393 2.86,-19.532 2.933,-19.532 3.505,-19.532 3.505,-19.411 3.759,-19.411 3.759,-19.532 3.903,-19.532 4.056,-19.38 5.697,-17.739 10.65,-17.739 11.221,-18.309 16.688,-18.309 16.912,-18.086 17.186,-18.086 17.325,-17.947 v1(17.4,-17.947)
  Bottom Layer w0.127: v1(-0.52,-13.621) -0.52,-13.697 -0.659,-13.836 -0.659,-15.007 0.647,-16.313 0.647,-16.649 0.647,-16.827 ccw(c0.774,-16.827) 0.774,-16.954 1.147,-16.954 cw(c1.147,-17.304) 1.497,-17.304 1.497,-17.467 cw(c1.147,-17.467) 1.147,-17.817 0.774,-17.817 ccw(c0.774,-17.944) 0.647,-17.944 0.647,-18.448 0.876,-18.677 1.731,-19.532 2.432,-19.532 2.571,-19.393 v1(2.646,-19.393) ; J1.5@16.54,-18 16.8,-18 16.886,-18.086 v1@17.27,-18.086
MIPI_RX4_D0_N: J1.9 J2.26 | length 27.7
  Top Copper w0.127: v1(-3.393,-13.102) -3.393,-13.558 -2.878,-14.072 -2.878,-14.395 -2.804,-14.47 -2.779,-14.47 -2.693,-14.556 J2.26@-2.693,-14.725 J2.26@-2.693,-14.731 ; v1(-3.378,-16.967) -3.378,-17.042 -3.239,-17.181 -3.239,-17.975 -2.703,-18.511 3.961,-18.511 5.268,-17.205 14.234,-17.205 14.289,-17.259 14.665,-17.259 v1(14.711,-17.305)
  Bottom Layer w0.127: v1(-3.393,-13.102) -3.393,-13.177 -3.254,-13.316 -3.254,-13.559 -3.239,-13.573 -3.239,-16.753 -3.378,-16.892 v1(-3.378,-16.967) ; v1(14.711,-17.305) 14.736,-17.305 14.925,-17.116 15.462,-17.116 15.464,-17.114 16.194,-17.114 16.28,-17.2 J1.9@16.54,-17.2
MIPI_RX4_D0_P: J1.11 J2.25 | length 27.9
  Top Copper w0.127: v1(-2.886,-13.102) -2.833,-13.048 -2.704,-13.048 -2.394,-12.738 J2.25@-2.394,-12.414 ; v1(-2.872,-16.967) -2.872,-17.042 -3.011,-17.181 -3.011,-17.88 -2.608,-18.283 3.867,-18.283 5.173,-16.976 14.423,-16.976 14.497,-16.902 14.497,-16.887 14.687,-16.697 v1(14.711,-16.697) ; J2.25@-2.486,-12.543 -2.4,-12.456 J2.25@-2.4,-12.281
  Bottom Layer w0.127: v1(-2.886,-13.102) -2.886,-13.177 -3.025,-13.316 -3.025,-13.464 -3.011,-13.478 -3.011,-14.262 -3.011,-14.989 ccw(c-2.884,-14.989) -2.884,-15.116 -2.729,-15.116 cw(c-2.729,-15.2) -2.645,-15.2 -2.645,-15.311 cw(c-2.729,-15.311) -2.729,-15.395 -2.927,-15.395 ccw(c-2.927,-15.479) -3.011,-15.479 -3.011,-15.591 ccw(c-2.927,-15.591) -2.927,-15.675 -2.729,-15.675 cw(c-2.729,-15.758) -2.645,-15.758 -2.645,-15.87 cw(c-2.729,-15.87) -2.729,-15.954 -2.884,-15.954 ccw(c-2.884,-16.081) -3.011,-16.081 -3.011,-16.424 -3.011,-16.753 -2.872,-16.892 v1(-2.872,-16.967) ; v1(14.711,-16.697) 14.736,-16.697 14.925,-16.887 15.367,-16.887 15.369,-16.886 16.194,-16.886 16.28,-16.8 J1.11@16.54,-16.8
MIPI_RX4_D1_N: J1.15 J2.22 | length 27.5
  Top Copper w0.127: v1(-2.174,-13.307) -2.174,-13.319 -1.493,-14.001 J2.22@-1.493,-14.725 J2.22@-1.493,-14.731 ; v1(-1.46,-17.384) -1.407,-17.437 -1.21,-17.437 -1.024,-17.623 3.553,-17.623 4.873,-16.304 6.673,-16.304 6.851,-16.304 ccw(c6.851,-15.91) 7.245,-15.91 7.245,-15.821 cw(c7.41,-15.821) 7.575,-15.821 7.575,-15.914 ccw(c7.969,-15.914) 8.362,-15.914 8.362,-15.821 cw(c8.527,-15.821) 8.693,-15.821 8.693,-15.914 ccw(c9.086,-15.914) 9.48,-15.914 9.48,-15.821 cw(c9.645,-15.821) 9.81,-15.821 9.81,-15.91 ccw(c10.204,-15.91) 10.204,-16.304 11.775,-16.304 11.829,-16.304 12.218,-15.914 14.712,-15.914 14.902,-16.104 v1(14.977,-16.104)
  Bottom Layer w0.127: v1(-2.174,-13.307) -2.174,-13.382 -2.035,-13.521 -2.035,-14.368 -2.032,-14.371 -2.032,-16.616 -1.513,-17.134 -1.513,-17.331 v1(-1.46,-17.384) ; v1(14.977,-16.104) 15.052,-16.104 15.242,-15.914 16.194,-15.914 16.28,-16 J1.15@16.54,-16